# Altium PCB bms_afe_tester-1_0.PcbDoc (part 4 of 4)
Units mm, origin at the board's own origin, x right, y up, seen from the top; angles counter-clockwise.
Board outline 400 x 85 mm, 4 copper layers (L1, L2, L3, L4), stack 1.586 mm thick; 576 components, 326 nets, 1526 pads, 396 vias.
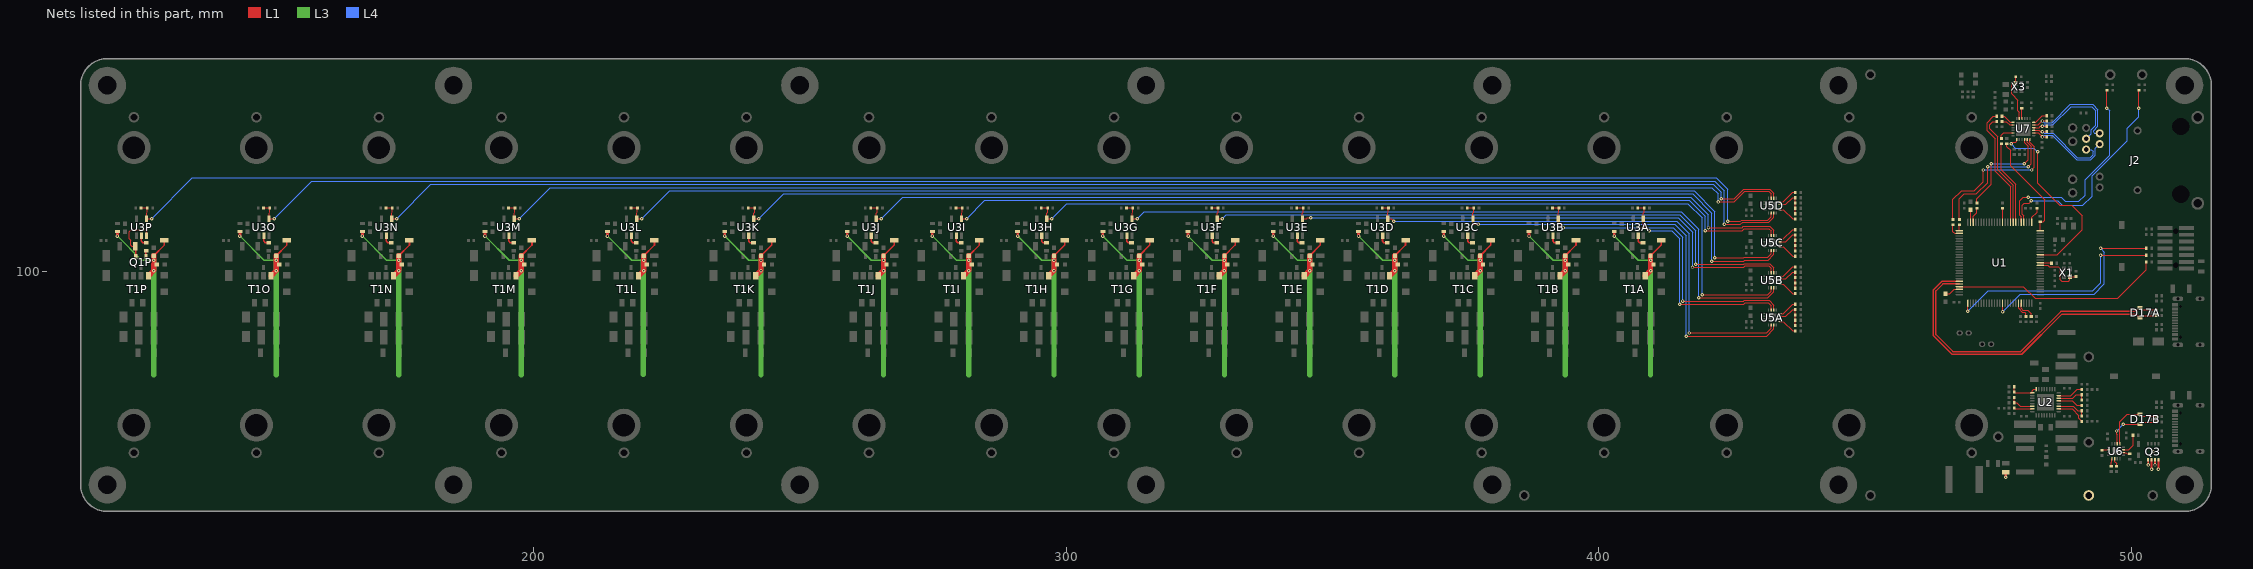
[diagram p6: the nets of this part, all layers, seen from the top]

## Via types
v1: diameter 0.65, hole 0.3, L1 to L4, 396 vias

## Nets (pads, with @x,y where several pads share a name; then routed paths per layer and width w, separated by ;. In a path a pad name is that pad's centre, name@x,y a point inside that pad or via, vN(x,y) a via of type N, cw(c..) or ccw(c..) an arc to the next point about the centre after c; other vN are vias at no path point) (continued)
NetQ1P_1: Q1P.1 R8P.1 | length 1.1
  L1 w0.3: Q1P.1@127.25,102.825 127.25,103.9 R8P.1@127.3,103.95
NetQ1P_2: Q1P.2 R66P.2 U3P.3 | length 10
  L1 w0.2: R66P.2@125.25,104.8 124.6,104.8 124.4,105 124.4,105.9 124.1,106.2 124.1,107.5 124.5,107.9 127.1,107.9 127.375,107.625 U3P.3@127.375,106.756
  L1 w0.3: R66P.2@125.25,104.8 125.35,104.7 Q1P.2@125.35,102.825
NetR3_2: R3.2 U1.26 | length 3
  L1 w0.2: U1.26@481.3,109.3 481.3,110.2 482.3,111.2 R3.2@482.3,111.9
NetR4_2: R4.2 U1.29 | length 41.3
  L1 w0.2: U1.29@479.8,109.3 479.8,110.5 479.5,110.8 479.5,112.5 479.9,112.9 480.8,112.9 v1(481.2,113.3) ; v1(501.4,130.7) R4.2@501.4,134.1
  L4 w0.2: v1(481.2,113.3) 486.2,113.3 487,112.5 490.9,112.5 492.6,114.2 492.6,118 499.2,124.6 499.2,126.9 501.4,129.1 v1(501.4,130.7)
NetR5_2: R5.2 U1.30 | length 39.4
  L1 w0.2: U1.30@479.3,109.3 479.3,110.3 479,110.6 479,113.3 479.7,114 v1(480.6,114) ; v1(495.4,130.7) R5.2@495.4,134.1
  L4 w0.2: v1(480.6,114) 486.8,114 487.6,113.2 490.1,113.2 491.3,114.4 491.3,117.3 495.9,121.9 495.9,130.2 v1(495.4,130.7)
NetR8A_2: R8A.2 U3A.2 | length 2.1
  L1 w0.3: U3A.2@407.425,106.756 407.4,106.731 407.4,105.7 407.65,105.45 R8A.2@408.3,105.45
NetR8B_2: R8B.2 U3B.2 | length 2.1
  L1 w0.3: U3B.2@391.425,106.756 391.4,106.731 391.4,105.7 391.65,105.45 R8B.2@392.3,105.45
NetR8C_2: R8C.2 U3C.2 | length 2.1
  L1 w0.3: U3C.2@375.425,106.756 375.4,106.731 375.4,105.7 375.65,105.45 R8C.2@376.3,105.45
NetR8D_2: R8D.2 U3D.2 | length 2.1
  L1 w0.3: U3D.2@359.425,106.756 359.4,106.731 359.4,105.7 359.65,105.45 R8D.2@360.3,105.45
NetR8E_2: R8E.2 U3E.2 | length 2.1
  L1 w0.3: U3E.2@343.425,106.756 343.4,106.731 343.4,105.7 343.65,105.45 R8E.2@344.3,105.45
NetR8F_2: R8F.2 U3F.2 | length 2.1
  L1 w0.3: U3F.2@327.425,106.756 327.4,106.731 327.4,105.7 327.65,105.45 R8F.2@328.3,105.45
NetR8G_2: R8G.2 U3G.2 | length 2.1
  L1 w0.3: U3G.2@311.425,106.756 311.4,106.731 311.4,105.7 311.65,105.45 R8G.2@312.3,105.45
NetR8H_2: R8H.2 U3H.2 | length 2.1
  L1 w0.3: U3H.2@295.425,106.756 295.4,106.731 295.4,105.7 295.65,105.45 R8H.2@296.3,105.45
NetR8I_2: R8I.2 U3I.2 | length 2.1
  L1 w0.3: U3I.2@279.425,106.756 279.4,106.731 279.4,105.7 279.65,105.45 R8I.2@280.3,105.45
NetR8J_2: R8J.2 U3J.2 | length 2.1
  L1 w0.3: U3J.2@263.425,106.756 263.4,106.731 263.4,105.7 263.65,105.45 R8J.2@264.3,105.45
NetR8K_2: R8K.2 U3K.2 | length 2.1
  L1 w0.3: U3K.2@240.425,106.756 240.4,106.731 240.4,105.7 240.65,105.45 R8K.2@241.3,105.45
NetR8L_2: R8L.2 U3L.2 | length 2.1
  L1 w0.3: U3L.2@218.425,106.756 218.4,106.731 218.4,105.7 218.65,105.45 R8L.2@219.3,105.45
NetR8M_2: R8M.2 U3M.2 | length 2.1
  L1 w0.3: U3M.2@195.425,106.756 195.4,106.731 195.4,105.7 195.65,105.45 R8M.2@196.3,105.45
NetR8N_2: R8N.2 U3N.2 | length 2.1
  L1 w0.3: U3N.2@172.425,106.756 172.4,106.731 172.4,105.7 172.65,105.45 R8N.2@173.3,105.45
NetR8O_2: R8O.2 U3O.2 | length 2.1
  L1 w0.3: U3O.2@149.425,106.756 149.4,106.731 149.4,105.7 149.65,105.45 R8O.2@150.3,105.45
NetR8P_2: R8P.2 U3P.2 | length 2.1
  L1 w0.3: U3P.2@126.425,106.756 126.4,106.731 126.4,105.7 126.65,105.45 R8P.2@127.3,105.45
NetR9_2: R9.2 U6.14 | length 1.3
  L1 w0.2: U6.14@498.5,66.05 498.95,66.05 499.2,65.8 R9.2@499.7,65.8
NetR24_2: R24.2 U1.37 | length 2.6
  L1 w0.2: U1.37@475.8,109.3 R24.2@475.8,111.9
NetR35_2: R35.2 U1.96 | length 3.8
  L1 w0.203: U1.96@479.3,94.1 479.3,93.103 479.601,92.801 480.499,92.801 481.2,92.1 R35.2@481.2,91.6
NetR36_2: R36.2 U1.95 | length 3.4
  L1 w0.203: U1.95@478.8,94.1 478.8,93.1 479.5,92.4 480,92.4 480.2,92.2 R36.2@480.2,91.6
NetR38_2: R38.2 U1.48 | length 2.9
  L1 w0.2: U1.48@470.3,109.3 470.3,110.4 471,111.1 R38.2@471,111.9
NetR40_2: R40.2 U1.51 | length 1.1
  L1 w0.2: U1.51@467.7,107.7 R40.2@467.7,108.8
NetR41_2: R41.2 U1.52 | length 2.6
  L1 w0.2: R41.2@466.5,108.8 466.5,107.5 466.8,107.2 U1.52@467.7,107.2
NetR48_1: R48.1 R56.2 U2.22 | length 5.6
  L1 w0.2: U2.22@486.35,76.25 488.95,76.25 489.6,76.9 R56.2@490.7,76.9 R48.1@490.7,75.9
NetR50_2: R50.2 U2.21 | length 4.7
  L1 w0.203: U2.21@486.35,75.75 488.85,75.75 489.7,74.9 R50.2@490.7,74.9
NetR51_2: R51.2 U2.23 | length 4.8
  L1 w0.203: U2.23@486.35,76.75 488.65,76.75 489.8,77.9 R51.2@490.7,77.9
NetR57_1: R57.1 R58.2 U2.1 U2.32 | length 5.8
  L1 w0.2: R57.1@478,78.4 R58.2@478,77.4 478.15,77.25 U2.1@481.4,77.25 481.4,77.7 481.675,77.975 U2.32@482.125,77.975
NetR59_1: R59.1 R62.2 U2.6 | length 4.7
  L1 w0.2: R59.1@478,76.4 R62.2@478,75.4 478.5,75.4 479.15,74.75 U2.6@481.4,74.75
NetR61_2: R61.2 U2.7 | length 3.5
  L1 w0.2: R61.2@478,74.4 478.15,74.25 U2.7@481.4,74.25
NetR63_1: R63.1 R65.2 U2.19 | length 5.7
  L1 w0.2: U2.19@486.35,74.75 489.05,74.75 489.9,73.9 R63.1@490.7,73.9 R65.2@490.7,72.9
NetR64_2: R64.2 U2.18 | length 5.6
  L1 w0.2: U2.18@486.35,74.25 488.85,74.25 490.1,73 490.1,72.5 R64.2@490.7,71.9
NetR67A_2: R67A.2 R68A.1 U3A.4 U5A.11 | length 43
  L1 w0.2: R68A.1@407.325,111.966 R67A.2@408.525,111.966 408.525,111.166 408.375,111.016 U3A.4@408.375,109.976 408.375,108.825 v1(409.5,107.7) ; v1(415.2,93.9) 427.2,93.9 427.5,94.2 431.8,94.2 432.35,93.65 U5A.11@432.35,92.8
  L4 w0.2: v1(409.5,107.7) 413.7,107.7 415.2,106.2 v1(415.2,93.9)
NetR67B_2: R67B.2 R68B.1 U3B.4 U5A.10 | length 59
  L1 w0.2: R68B.1@391.325,111.966 R67B.2@392.525,111.966 392.525,111.166 392.375,111.016 U3B.4@392.375,109.976 392.375,109.225 v1(393.3,108.3) ; v1(415.8,94.5) 427.2,94.5 427.3,94.6 432,94.6 432.85,93.75 U5A.10@432.85,92.8
  L4 w0.2: v1(393.3,108.3) 414,108.3 415.8,106.5 v1(415.8,94.5)
NetR67C_2: R67C.2 R68C.1 U3C.4 U5A.3 | length 81.8
  L1 w0.2: R68C.1@375.325,111.966 R67C.2@376.525,111.966 376.525,111.166 376.375,111.016 U3C.4@376.375,109.976 376.375,109.025 376.5,108.9 v1(377.4,108.9) ; v1(416.4,87.9) 431.5,87.9 432.85,89.25 U5A.3@432.85,90
  L4 w0.2: v1(377.4,108.9) 414.3,108.9 416.4,106.8 v1(416.4,87.9)
NetR67D_2: R67D.2 R68D.1 U3D.4 U5A.2 | length 96
  L1 w0.2: R68D.1@359.325,111.966 R67D.2@360.525,111.966 360.525,111.166 360.375,111.016 U3D.4@360.375,109.976 361.024,109.976 v1(361.5,109.5) ; v1(417,88.5) 431.5,88.5 432.35,89.35 U5A.2@432.35,90
  L4 w0.2: v1(361.5,109.5) 414.6,109.5 417,107.1 v1(417,88.5)
NetR67E_2: R67E.2 R68E.1 U3E.4 U5B.11 | length 100.2
  L1 w0.2: R68E.1@343.325,111.966 R67E.2@344.525,111.966 344.525,111.166 344.375,111.016 U3E.4@344.375,109.976 345.176,109.976 345.3,110.1 v1(345.9,110.1) ; v1(417.6,100.8) 427.2,100.8 427.5,101.1 431.9,101.1 432.35,100.65 U5B.11@432.35,99.8
  L4 w0.2: v1(345.9,110.1) 414.9,110.1 417.6,107.4 v1(417.6,100.8)
NetR67F_2: R67F.2 R68F.1 U3F.4 U5B.10 | length 116.9
  L1 w0.2: R68F.1@327.325,111.966 R67F.2@328.525,111.966 328.525,111.166 328.375,111.016 U3F.4@328.375,109.976 329.33,109.976 v1(329.334,109.972) ; v1(418.2,101.4) 427.2,101.4 427.3,101.5 432.1,101.5 432.85,100.75 U5B.10@432.85,99.8
  L4 w0.2: v1(329.334,109.972) 330.061,110.7 415.2,110.7 418.2,107.7 v1(418.2,101.4)
NetR67G_2: R67G.2 R68G.1 U3G.4 U5B.3 | length 139.8
  L1 w0.2: R68G.1@311.325,111.966 R67G.2@312.525,111.966 312.525,111.166 312.375,111.016 U3G.4@312.375,109.976 313.33,109.976 v1(313.334,109.972) ; v1(418.8,95.1) 431.7,95.1 432.85,96.25 U5B.3@432.85,97
  L4 w0.2: v1(313.334,109.972) 314.661,111.3 415.5,111.3 418.8,108 v1(418.8,95.1)
NetR67H_2: R67H.2 R68H.1 U3H.4 U5B.2 | length 156.8
  L1 w0.2: R68H.1@295.325,111.966 R67H.2@296.525,111.966 296.525,111.166 296.375,111.016 U3H.4@296.375,109.976 297.33,109.976 v1(297.334,109.972) ; v1(419.4,95.7) 431.7,95.7 432.35,96.35 U5B.2@432.35,97
  L4 w0.2: v1(297.334,109.972) 300.161,112.8 416.7,112.8 419.4,110.1 v1(419.4,95.7)
NetR67I_2: R67I.2 R68I.1 U3I.4 U5C.11 | length 161.8
  L1 w0.2: R68I.1@279.325,111.966 R67I.2@280.525,111.966 280.525,111.166 280.375,111.016 U3I.4@280.375,109.976 281.33,109.976 v1(281.334,109.972) ; v1(420,107.7) 426.9,107.7 427.3,108.1 431.9,108.1 432.35,107.65 U5C.11@432.35,106.8
  L4 w0.2: v1(281.334,109.972) 284.761,113.4 417,113.4 420,110.4 v1(420,107.7)
NetR67J_2: R67J.2 R68J.1 U3J.4 U5C.10 | length 178.5
  L1 w0.2: R68J.1@263.325,111.966 R67J.2@264.525,111.966 264.525,111.166 264.375,111.016 U3J.4@264.375,109.976 265.33,109.976 v1(265.334,109.972) ; v1(420.6,108.3) 426.9,108.3 427.1,108.5 432.1,108.5 432.85,107.75 U5C.10@432.85,106.8
  L4 w0.2: v1(265.334,109.972) 269.361,114 417.3,114 420.6,110.7 v1(420.6,108.3)
NetR67K_2: R67K.2 R68K.1 U3K.4 U5C.3 | length 208.4
  L1 w0.2: R68K.1@240.325,111.966 R67K.2@241.525,111.966 241.525,111.166 241.375,111.016 U3K.4@241.375,109.976 242.33,109.976 v1(242.334,109.972) ; v1(421.2,102) 427.2,102 427.4,102.2 431.8,102.2 432.85,103.25 U5C.3@432.85,104
  L4 w0.2: v1(242.334,109.972) 246.961,114.6 417.6,114.6 421.2,111 v1(421.2,102)
NetR67L_2: R67L.2 R68L.1 U3L.4 U5C.2 | length 229.7
  L1 w0.2: R68L.1@218.325,111.966 R67L.2@219.525,111.966 219.525,111.166 219.375,111.016 U3L.4@219.375,109.976 220.33,109.976 v1(220.334,109.972) ; v1(421.8,102.6) 427.2,102.6 427.3,102.7 431.7,102.7 432.35,103.35 U5C.2@432.35,104
  L4 w0.2: v1(220.334,109.972) 225.561,115.2 417.9,115.2 421.8,111.3 v1(421.8,102.6)
NetR67M_2: R67M.2 R68M.1 U3M.4 U5D.11 | length 245.5
  L1 w0.2: R68M.1@195.325,111.966 R67M.2@196.525,111.966 196.525,111.166 196.375,111.016 U3M.4@196.375,109.976 197.33,109.976 v1(197.334,109.972) ; v1(422.4,113.1) 425.4,113.1 427.4,115.1 431.9,115.1 432.35,114.65 U5D.11@432.35,113.8
  L4 w0.2: v1(197.334,109.972) 203.161,115.8 421.2,115.8 422.4,114.6 v1(422.4,113.1)
NetR67N_2: R67N.2 R68N.1 U3N.4 U5D.10 | length 269.2
  L1 w0.2: R68N.1@172.325,111.966 R67N.2@173.525,111.966 173.525,111.166 173.375,111.016 U3N.4@173.375,109.976 174.33,109.976 v1(174.334,109.972) ; v1(423,113.7) 425.4,113.7 427.2,115.5 432.1,115.5 432.85,114.75 U5D.10@432.85,113.8
  L4 w0.2: v1(174.334,109.972) 180.761,116.4 421.5,116.4 423,114.9 v1(423,113.7)
NetR67O_2: R67O.2 R68O.1 U3O.4 U5D.3 | length 297
  L1 w0.2: R68O.1@149.325,111.966 R67O.2@150.525,111.966 150.525,111.166 150.375,111.016 U3O.4@150.375,109.976 151.33,109.976 v1(151.334,109.972) ; v1(423.6,108.9) 426.6,108.9 427,109.3 431.9,109.3 432.85,110.25 U5D.3@432.85,111
  L4 w0.2: v1(151.334,109.972) 158.361,117 421.8,117 423.6,115.2 v1(423.6,108.9)
NetR67P_2: R67P.2 R68P.1 U3P.4 U5D.2 | length 319.3
  L1 w0.2: R68P.1@126.325,111.966 R67P.2@127.525,111.966 127.525,111.166 127.375,111.016 U3P.4@127.375,109.976 128.33,109.976 v1(128.334,109.972) ; v1(424.2,109.5) 426.6,109.5 426.8,109.7 431.7,109.7 432.35,110.35 U5D.2@432.35,111
  L4 w0.2: v1(128.334,109.972) 135.961,117.6 422.1,117.6 424.2,115.5 v1(424.2,109.5)
NetR69A_1: R69A.1 U5A.8 | length 3.6
  L1 w0.2: U5A.8@434,92.15 434.65,92.15 436.4,93.9 R69A.1@436.9,93.9
NetR69B_1: R69B.1 U5B.8 | length 3.6
  L1 w0.2: U5B.8@434,99.15 434.65,99.15 436.4,100.9 R69B.1@436.9,100.9
NetR69C_1: R69C.1 U5C.8 | length 3.6
  L1 w0.2: U5C.8@434,106.15 434.65,106.15 436.4,107.9 R69C.1@436.9,107.9
NetR69D_1: R69D.1 U5D.8 | length 3.6
  L1 w0.2: U5D.8@434,113.15 434.65,113.15 436.4,114.9 R69D.1@436.9,114.9
NetR70A_1: R70A.1 R71A.2 R72A.2 R73A.2 U5A.7 | length 6.4
  L1 w0.2: U5A.7@434,91.65 435.15,91.65 436.4,92.9 R70A.1@436.9,92.9 R71A.2@436.9,91.9 R72A.2@436.9,90.9 R73A.2@436.9,89.9
NetR70B_1: R70B.1 R71B.2 R72B.2 R73B.2 U5B.7 | length 6.4
  L1 w0.2: U5B.7@434,98.65 435.15,98.65 436.4,99.9 R70B.1@436.9,99.9 R71B.2@436.9,98.9 R72B.2@436.9,97.9 R73B.2@436.9,96.9
NetR70C_1: R70C.1 R71C.2 R72C.2 R73C.2 U5C.7 | length 6.4
  L1 w0.2: U5C.7@434,105.65 435.15,105.65 436.4,106.9 R70C.1@436.9,106.9 R71C.2@436.9,105.9 R72C.2@436.9,104.9 R73C.2@436.9,103.9
NetR70D_1: R70D.1 R71D.2 R72D.2 R73D.2 U5D.7 | length 6.4
  L1 w0.2: U5D.7@434,112.65 435.15,112.65 436.4,113.9 R70D.1@436.9,113.9 R71D.2@436.9,112.9 R72D.2@436.9,111.9 R73D.2@436.9,110.9
NetR74A_1: R74A.1 U5A.5 | length 3.6
  L1 w0.2: U5A.5@434,90.65 434.65,90.65 436.4,88.9 R74A.1@436.9,88.9
NetR74B_1: R74B.1 U5B.5 | length 3.6
  L1 w0.2: U5B.5@434,97.65 434.65,97.65 436.4,95.9 R74B.1@436.9,95.9
NetR74C_1: R74C.1 U5C.5 | length 3.6
  L1 w0.2: U5C.5@434,104.65 434.65,104.65 436.4,102.9 R74C.1@436.9,102.9
NetR74D_1: R74D.1 U5D.5 | length 3.6
  L1 w0.2: U5D.5@434,111.65 434.65,111.65 436.4,109.9 R74D.1@436.9,109.9
NetR77_1: R77.1 U6.15 | length 4.1
  L1 w0.2: U6.15@498.5,66.55 499.45,66.55 500.3,67.4 R77.1@500.3,69.3
NetR78_2: R78.2 U6.6 | length 1.2
  L1 w0.2: R78.2@494.5,66.5 494.55,66.55 U6.6@495.7,66.55
NetR79_2: R79.2 U6.9 | length 1.5
  L1 w0.2: R79.2@496.2,63.5 496.2,64.2 496.35,64.35 U6.9@496.35,64.9
NetR80_2: R80.2 U6.10 | length 1.5
  L1 w0.2: U6.10@496.85,64.9 496.85,64.35 497.2,64 R80.2@497.2,63.5
NetR86_1: R86.1 U7.24 | length 3
  L1 w0.2: U7.24@481.65,128.05 482.05,128.05 483.3,129.3 R86.1@484.1,129.3
NetR91_1: R91.1 U7.11 | length 2.9
  L1 w0.2: R91.1@475.6,125 475.6,125.6 476.05,126.05 U7.11@477.75,126.05
NetR92_1: R92.1 U7.8 | length 2.3
  L1 w0.2: R92.1@475.7,128.2 476.5,128.2 477.15,127.55 U7.8@477.75,127.55
NetR93_1: R93.1 U7.7 | length 2.5
  L1 w0.2: R93.1@475.7,129.2 476.1,129.2 477.25,128.05 U7.7@477.75,128.05
OSC_IN_2: C16.1 U1.12 X1.3 | length 9.9
  L1 w0.203: U1.12@482.9,101.2 484.3,101.2 484.6,100.9 486.3,100.9 486.6,100.6 486.6,98.5 486.9,98.2 488.2,98.2 488.45,98.45 X1.3@488.45,99.1 C16.1@489.6,99.1
OSC_OUT_2: R42.1 U1.13 | length 2.1
  L1 w0.2: U1.13@482.9,101.7 484.9,101.7 R42.1@485,101.6
RMII.CRS_DV_1: R91.2 U1.32 | length 15.8
  L1 w0.203: R91.2@475.6,124 475.6,119.1 478.3,116.4 U1.32@478.3,109.3
RMII.RXD0_1: R92.2 U1.33 | length 21.7
  L1 w0.203: R92.2@474.7,128.2 474,128.2 473.4,127.6 473.4,126.8 474.9,125.3 474.9,119.1 477.8,116.2 U1.33@477.8,109.3
RMII.RXD1_1: R93.2 U1.34 | length 22.8
  L1 w0.203: R93.2@474.7,129.2 474.1,129.2 472.9,128 472.9,126.5 474.4,125 474.4,118.9 477.3,116 U1.34@477.3,109.3
RMII.TX_EN_1: R38.1 U7.16 | length 19.8
  L1 w0.203: R38.1@471,112.9 471,113.7 473.7,116.4 v1(473.7,120.3) ; v1(479.9,120.3) 480.6,121 480.6,123.6 479.95,124.25 U7.16@479.95,124.85
  L4 w0.203: v1(473.7,120.3) v1(479.9,120.3)
RMII.TXD0_1: R40.1 U7.17 | length 26.8
  L1 w0.203: R40.1@467.7,109.8 467.7,113.7 468.6,114.6 470.9,114.6 473,116.7 v1(473,119.7) ; U7.17@480.45,124.85 480.45,124.3 481.2,123.55 481.2,120.3 v1(480.621,119.721)
  L4 w0.203: v1(473,119.7) 473.021,119.721 v1(480.621,119.721)
RMII.TXD1_1: R41.1 U7.18 | length 28.5
  L1 w0.2: R41.1@466.5,109.8 466.5,113.6 468.1,115.2 470.5,115.2 472.2,116.9 v1(472.2,119.1) ; U7.18@480.95,124.85 480.95,124.35 481.8,123.5 481.8,119.6 v1(481.3,119.1)
  L4 w0.2: v1(472.2,119.1) v1(481.3,119.1)
RX_N: J2.8 R90.2 U7.22 | length 20.4
  L1 w0.218: U7.22@481.65,127.05 482.65,127.05 482.9,127.3 v1(483.3,127.3) R90.2@484.1,127.3
  L4 w0.218: v1(483.3,127.3) 483.591,127.591 485.273,127.591 488.664,130.982 492.518,130.982 493.3,130.2 493.3,127.5 492.478,126.678 492.478,125.946 J2.8@491.5,124.968
RX_P: J2.1 R88.2 U7.23 | length 20.9
  L1 w0.218: U7.23@481.65,127.55 482.55,127.55 v1(483.3,128.3) R88.2@484.1,128.3
  L4 w0.218: v1(483.3,128.3) 483.591,128.009 485.1,128.009 488.491,131.4 492.691,131.4 493.718,130.373 493.718,127.327 492.896,126.504 492.896,126.154 493.066,125.984 J2.1@494.04,125.984
SMI.MDC_1: U1.16 U7.13 | length 36.5
  L1 w0.203: v1(477.4,124) 477.7,124.3 478.3,124.3 478.45,124.45 U7.13@478.45,124.85 ; v1(482.4,122.5) 482.4,116.6 486.5,112.5 488.8,112.5 490.8,110.5 490.8,107.9 486.1,103.2 U1.16@482.9,103.2
  L4 w0.203: v1(477.4,124) 478.2,123.2 481.7,123.2 v1(482.4,122.5)
SMI.MDIO_1: R52.1 R81.2 U1.25 | length 19.9
  L1 w0.2: U1.25@482.9,107.7 R52.1@482.9,109.4
  L1 w0.203: R81.2@476.6,124 476.6,123.5 477.3,122.8 477.3,119.9 483.7,113.5 483.7,109.7 483.4,109.4 R52.1@482.9,109.4
SWD.SWCLK_2: R26.1 U1.76 | length 42.4
  L1 w0.203: v1(469.3,92.6) U1.76@469.3,94.1 ; v1(494.2,103.1) R26.1@502.8,103.1
  L4 w0.203: v1(469.3,92.6) 473.1,96.4 492.7,96.4 494.2,97.9 v1(494.2,103.1)
SWD.SWDIO_2: R22.1 U1.72 | length 39.6
  L1 w0.203: U1.72@467.7,97.2 479.7,97.2 481.9,95 497.4,95 502.8,100.4 R22.1@502.8,101.8
SWD.SWO_2: R6.1 U1.89 | length 38.4
  L1 w0.203: v1(475.8,92.5) U1.89@475.8,94.1 ; v1(494.2,104.4) R6.1@502.8,104.4
  L4 w0.203: v1(475.8,92.5) 479.1,95.8 493,95.8 494.9,97.7 494.9,103.7 v1(494.2,104.4)
TX_N: J2.2 R89.2 U7.20 | length 17.5
  L1 w0.218: U7.20@481.65,126.05 482.55,126.05 v1(483.3,125.3) R89.2@484.1,125.3
  L4 w0.218: v1(483.3,125.3) 483.591,125.591 485.109,125.591 489.7,121 492.4,121 493.232,121.832 493.232,123.144 J2.2@494.04,123.952
TX_P: J2.9 R87.2 U7.21 | length 16.4
  L1 w0.218: U7.21@481.65,126.55 482.65,126.55 482.9,126.3 v1(483.3,126.3) R87.2@484.1,126.3
  L4 w0.218: v1(483.3,126.3) 483.591,126.009 485.282,126.009 489.873,121.418 492.227,121.418 492.814,122.006 492.814,122.586 492.464,122.936 J2.9@491.5,122.936
USB._1_N: D17A.2 R129A.1 U1.70 | length 61.1
  L1 w0.203: D17A.2@501.575,91.35 501.925,91.7 504.6,91.7 R129A.1@504.7,91.8
  L1 w0.284: U1.70@467.7,98.2 464.416,98.2 462.816,96.6 462.816,88 466.3,84.516 479.416,84.516 486.958,92.058 500.867,92.058 D17A.2@501.575,91.35
USB._1_P: D17A.1 R128A.1 U1.71 | length 59.5
  L1 w0.2: D17A.1@501.575,93.25 501.925,92.9 504.6,92.9 R128A.1@504.7,92.8
  L1 w0.284: U1.71@467.7,97.7 464.6,97.7 463.3,96.4 463.3,88.2 466.5,85 479.216,85 486.758,92.542 500.867,92.542 D17A.1@501.575,93.25
USB_PWR._1_N: D17B.2 R129B.1 U6.2 | length 10.6
  L1 w0.2: v1(497.273,70.1) 497.273,69.477 497.35,69.4 U6.2@497.35,67.7
  L1 w0.203: v1(498.5,71.4) 501.525,71.4 D17B.2@501.575,71.35 501.925,71.7 504.6,71.7 R129B.1@504.7,71.8
  L4 w0.2: v1(497.273,70.1) 498.5,71.327 v1(498.5,71.4)
USB_PWR._1_P: D17B.1 R128B.1 U6.1 | length 11.8
  L1 w0.2: U6.1@497.85,67.7 497.85,71.85 499.25,73.25 D17B.1@501.575,73.25 501.925,72.9 504.6,72.9 R128B.1@504.7,72.8
VBUS: C38A.1 C38B.1 C38C.1 C38D.1 C38E.1 C38F.1 C38G.1 C38H.1 C38I.1 C38J.1 C38K.1 C38L.1 C38M.1 C38N.1 C38O.1 C38P.1 C41A.1 C41B.1 C41C.1 C41D.1 C41E.1 C41F.1 C41G.1 C41H.1 C41I.1 C41J.1 C41K.1 C41L.1 C41M.1 C41N.1 C41O.1 C41P.1 FB2.1 Q3.5 Q3.6 Q3.7 Q3.8 R10A.2 R10B.2 R10C.2 R10D.2 R10E.2 R10F.2 R10G.2 R10H.2 R10I.2 R10J.2 R10K.2 R10L.2 R10M.2 R10N.2 R10O.2 R10P.2 R14A.1 R14B.1 R14C.1 R14D.1 R14E.1 R14F.1 R14G.1 R14H.1 R14I.1 R14J.1 R14K.1 R14L.1 R14M.1 R14N.1 R14O.1 R14P.1 T1A.1 T1B.1 T1C.1 T1D.1 T1E.1 T1F.1 T1G.1 T1H.1 T1I.1 T1J.1 T1K.1 T1L.1 T1M.1 T1N.1 T1O.1 T1P.1 TP3.1 | length 646.7
  L1 w0.3: C41P.1@128.725,103.016 130.725,105.016 R10P.2@130.725,105.916 ; C41O.1@151.725,103.016 153.725,105.016 R10O.2@153.725,105.916 ; C41N.1@174.725,103.016 176.725,105.016 R10N.2@176.725,105.916 ; C41M.1@197.725,103.016 199.725,105.016 R10M.2@199.725,105.916 ; C41L.1@220.725,103.016 222.725,105.016 R10L.2@222.725,105.916 ; C41K.1@242.725,103.016 244.725,105.016 R10K.2@244.725,105.916 ; C41J.1@265.725,103.016 267.725,105.016 R10J.2@267.725,105.916 ; C41I.1@281.725,103.016 283.725,105.016 R10I.2@283.725,105.916 ; C41H.1@297.725,103.016 299.725,105.016 R10H.2@299.725,105.916 ; C41G.1@313.725,103.016 315.725,105.016 R10G.2@315.725,105.916 ; C41F.1@329.725,103.016 331.725,105.016 R10F.2@331.725,105.916 ; C41E.1@345.725,103.016 347.725,105.016 R10E.2@347.725,105.916 ; C41D.1@361.725,103.016 363.725,105.016 R10D.2@363.725,105.916 ; C41C.1@377.725,103.016 379.725,105.016 R10C.2@379.725,105.916 ; C41B.1@393.725,103.016 395.725,105.016 R10B.2@395.725,105.916 ; C41A.1@409.725,103.016 411.725,105.016 R10A.2@411.725,105.916 ; v1(503.125,63.725) Q3.5@503.125,64.7 ; v1(503.775,62.925) Q3.6@503.775,64.7 ; v1(504.425,63.725) Q3.7@504.425,64.7 ; v1(505.075,62.925) Q3.8@505.075,64.7
  L1 w0.5: v1(121.9,106.7) R14P.1@121.9,107.55 ; v1(128.725,102.166) 128.725,101.916 C38P.1@129.275,101.366 ; v1(144.9,106.7) R14O.1@144.9,107.55 ; v1(151.725,102.166) 151.725,101.916 C38O.1@152.275,101.366 ; v1(167.9,106.7) R14N.1@167.9,107.55 ; v1(174.725,102.166) 174.725,101.916 C38N.1@175.275,101.366 ; v1(190.9,106.7) R14M.1@190.9,107.55 ; v1(197.725,102.166) 197.725,101.916 C38M.1@198.275,101.366 ; v1(213.9,106.7) R14L.1@213.9,107.55 ; v1(220.725,102.166) 220.725,101.916 C38L.1@221.275,101.366 ; v1(235.9,106.7) R14K.1@235.9,107.55 ; v1(242.725,102.166) 242.725,101.916 C38K.1@243.275,101.366 ; v1(258.9,106.7) R14J.1@258.9,107.55 ; v1(265.725,102.166) 265.725,101.916 C38J.1@266.275,101.366 ; v1(274.9,106.7) R14I.1@274.9,107.55 ; v1(281.725,102.166) 281.725,101.916 C38I.1@282.275,101.366 ; v1(290.9,106.7) R14H.1@290.9,107.55 ; v1(297.725,102.166) 297.725,101.916 C38H.1@298.275,101.366 ; v1(306.9,106.7) R14G.1@306.9,107.55 ; v1(313.725,102.166) 313.725,101.916 C38G.1@314.275,101.366 ; v1(322.9,106.7) R14F.1@322.9,107.55 ; v1(329.725,102.166) 329.725,101.916 C38F.1@330.275,101.366 ; v1(338.9,106.7) R14E.1@338.9,107.55 ; v1(345.725,102.166) 345.725,101.916 C38E.1@346.275,101.366 ; v1(354.9,106.7) R14D.1@354.9,107.55 ; v1(361.725,102.166) 361.725,101.916 C38D.1@362.275,101.366 ; v1(370.9,106.7) R14C.1@370.9,107.55 ; v1(377.725,102.166) 377.725,101.916 C38C.1@378.275,101.366 ; v1(386.9,106.7) R14B.1@386.9,107.55 ; v1(393.725,102.166) 393.725,101.916 C38B.1@394.275,101.366 ; v1(402.9,106.7) R14A.1@402.9,107.55 ; v1(409.725,102.166) 409.725,101.916 C38A.1@410.275,101.366 ; v1(476.4,61.4) FB2.1@476.4,62.35
  L1 w1: T1P.1@127.725,99.216 v1(128.725,100.216) v1(128.725,102.166) C41P.1@128.725,103.016 ; T1O.1@150.725,99.216 v1(151.725,100.216) v1(151.725,102.166) C41O.1@151.725,103.016 ; T1N.1@173.725,99.216 v1(174.725,100.216) v1(174.725,102.166) C41N.1@174.725,103.016 ; T1M.1@196.725,99.216 v1(197.725,100.216) v1(197.725,102.166) C41M.1@197.725,103.016 ; T1L.1@219.725,99.216 v1(220.725,100.216) v1(220.725,102.166) C41L.1@220.725,103.016 ; T1K.1@241.725,99.216 v1(242.725,100.216) v1(242.725,102.166) C41K.1@242.725,103.016 ; T1J.1@264.725,99.216 v1(265.725,100.216) v1(265.725,102.166) C41J.1@265.725,103.016 ; T1I.1@280.725,99.216 v1(281.725,100.216) v1(281.725,102.166) C41I.1@281.725,103.016 ; T1H.1@296.725,99.216 v1(297.725,100.216) v1(297.725,102.166) C41H.1@297.725,103.016 ; T1G.1@312.725,99.216 v1(313.725,100.216) v1(313.725,102.166) C41G.1@313.725,103.016 ; T1F.1@328.725,99.216 v1(329.725,100.216) v1(329.725,102.166) C41F.1@329.725,103.016 ; T1E.1@344.725,99.216 v1(345.725,100.216) v1(345.725,102.166) C41E.1@345.725,103.016 ; T1D.1@360.725,99.216 v1(361.725,100.216) v1(361.725,102.166) C41D.1@361.725,103.016 ; T1C.1@376.725,99.216 v1(377.725,100.216) v1(377.725,102.166) C41C.1@377.725,103.016 ; T1B.1@392.725,99.216 v1(393.725,100.216) v1(393.725,102.166) C41B.1@393.725,103.016 ; T1A.1@408.725,99.216 v1(409.725,100.216) v1(409.725,102.166) C41A.1@409.725,103.016
  L3 w0.3: v1(121.9,106.7) 126.434,102.166 v1(128.725,102.166) ; v1(144.9,106.7) 149.434,102.166 v1(151.725,102.166) ; v1(167.9,106.7) 172.434,102.166 v1(174.725,102.166) ; v1(190.9,106.7) 195.434,102.166 v1(197.725,102.166) ; v1(213.9,106.7) 218.434,102.166 v1(220.725,102.166) ; v1(235.9,106.7) 240.434,102.166 v1(242.725,102.166) ; v1(258.9,106.7) 263.434,102.166 v1(265.725,102.166) ; v1(274.9,106.7) 279.434,102.166 v1(281.725,102.166) ; v1(290.9,106.7) 295.434,102.166 v1(297.725,102.166) ; v1(306.9,106.7) 311.434,102.166 v1(313.725,102.166) ; v1(322.9,106.7) 327.434,102.166 v1(329.725,102.166) ; v1(338.9,106.7) 343.434,102.166 v1(345.725,102.166) ; v1(354.9,106.7) 359.434,102.166 v1(361.725,102.166) ; v1(370.9,106.7) 375.434,102.166 v1(377.725,102.166) ; v1(386.9,106.7) 391.434,102.166 v1(393.725,102.166) ; v1(402.9,106.7) 407.434,102.166 v1(409.725,102.166)
  L3 w1: 128.725,80.675 v1(128.725,102.166) ; 151.725,80.675 v1(151.725,102.166) ; 174.725,80.675 v1(174.725,102.166) ; 197.725,80.675 v1(197.725,102.166) ; 220.6,80.709 v1@220.6,102.2 ; 242.725,80.675 v1(242.725,102.166) ; 265.725,80.675 v1(265.725,102.166) ; 281.725,80.675 v1(281.725,102.166) ; 297.725,80.675 v1(297.725,102.166) ; 313.725,80.675 v1(313.725,102.166) ; 329.725,80.675 v1(329.725,102.166) ; 345.725,80.675 v1(345.725,102.166) ; 361.725,80.675 v1(361.725,102.166) ; 377.725,80.675 v1(377.725,102.166) ; 393.725,80.675 v1(393.725,102.166) ; 409.725,80.675 v1(409.725,100.216) v1(409.725,102.166)
  other v1: 504.1,66.2
VCAP_1_2: C2.1 U1.49 | length 2.3
  L1 w0.2: U1.49@469.8,109.3 C2.1@469.8,111.65
VCAP_2_2: C1.1 U1.73 | length 3
  L1 w0.203: C1.1@465.1,95.85 465.85,95.85 466.7,96.7 U1.73@467.7,96.7
XTAL1: C53.1 U7.5 X3.1 | length 9.1
  L1 w0.203: C53.1@478.3,136.6 478.25,136.55 X3.1@478.25,135.4 477.7,135.4 477.5,135.2 477.5,133.4 478.7,132.2 478.7,130.2 478.95,129.95 U7.5@478.95,128.75
XTAL2: R85.2 U7.4 | length 2
  L1 w0.2: R85.2@479.4,130.7 479.45,130.65 U7.4@479.45,128.75
pads on no net: J1.0 J1.1 J1.2 J1.9 J1.10 J1.13 J1.14 J2.0 J2.5 J2.6 J2.10 J2.11 J11A.A8 J11A.B8 J11A.GP J11B.A8 J11B.B8 J11B.GP MH1.1 MH2.1 MH3.1 MH4.1 MH5.1 MH6.1 MH7.1 MH8.1 MH9.1 MH10.1 MH11.1 MH12.1 MH13.1 MH14.1 U1.1 U1.2 U1.3 U1.4 U1.5 U1.7 U1.8 U1.9 U1.15 U1.17 U1.18 U1.23 U1.31 U1.35 U1.36 U1.38 U1.39 U1.40 U1.41 U1.42 U1.43 U1.44 U1.45 U1.46 U1.47 U1.53 U1.54 U1.55 U1.56 U1.57 U1.58 U1.59 U1.60 U1.61 U1.62 U1.66 U1.67 U1.68 U1.69 U1.77 U1.78 U1.79 U1.80 U1.81 U1.82 U1.83 U1.84 U1.85 U1.86 U1.87 U1.88 U1.90 U1.91 U1.92 U1.93 U1.97 U1.98 U2.20 U2.31 U5A.1 U5A.4 U5A.9 U5A.12 U5B.1 U5B.4 U5B.9 U5B.12 U5C.1 U5C.4 U5C.9 U5C.12 U5D.1 U5D.4 U5D.9 U5D.12 U6.7 U6.8 U6.11 U6.12 U6.13 U7.10 X1.2 X1.4 X3.2 X3.4

## Polygon pours and split planes (outlines as drawn)
3P3 on L1 "3P3_L01_P002" (solid, remove dead copper, pour order 2): 477.6,69.8 477.6,65.8 482.4,65.8 482.4,69.8
5P0 on L1 "5P0_L01_P004" (solid, remove dead copper, pour order 4): 490.2,81.2 490.2,85.2 485.4,85.2 485.4,81.2
1P2 on L1 "1P2_L01_P003" (solid, remove dead copper, pour order 3): 485.4,69.8 485.4,65.8 490.2,65.8 490.2,69.8
3P3 on L3 "3P3_L03_P008" (solid, remove dead copper, pour order 8): 451,140 474.5,140 474.5,131 479.5,131 479.5,120.5 485.5,120.5 485.5,112.5 515,112.5 515,98.5 505.5,98.5 505.5,76.5 496.5,76.5 496.5,64.5 451,64.5 451,88 426,88 426,116 451,116
ETH_VDDA on L3 "ETH_VDDA_L03_P007" (solid, remove dead copper, pour order 7): 475,133.5 483.5,133.5 483.5,136.5 490.5,136.5 490.5,113 486,113 486,121 480,121 480,131.5 475,131.5
VBUS on L3 "VBUS_L03_P009" (solid, remove dead copper, pour order 9): 450.5,81.5 450.5,64 502.5,64 502.5,67 506,67 506,56 115,56 115,81.5
5P0 on L3 "5P0_L03_P005" (solid, remove dead copper, pour order 5): 493.5,85.5 493.5,74.5 486.2,74.5 486.2,71 481.5,71 481.5,77.5 475.5,77.5 475.5,85.5
GND on L2 "GND_L02_P000" (solid, remove dead copper, pour order 0): 114.939,59.973 114.939,134.973 cw(c119.939,134.973) 119.939,139.973 509.939,139.973 cw(c509.939,134.973) 514.939,134.973 514.939,59.973 cw(c509.939,59.973) 509.939,54.973 119.939,54.973 cw(c119.939,59.973)

## Silkscreen, mask and mechanical layers (free items; w line width, h text height)
Top Overlay:
  text "GND" at 453.6,135.7 h1 r90
  text "DAC2" at 494.4,135.4 h1 r90
  text "DAC1" at 504.6,135.4 h1 r90
  text "C15+" at 127.4,127.4 h2
  text "C14-" at 138.9,127.4 h2
  text "C13+" at 161.9,127.4 h2
  text "C12-" at 184.9,127.4 h2
  text "C11+" at 207.9,127.4 h2
  text "C10-" at 230.9,127.4 h2
  text "C9+" at 254.9,127.4 h2
  text "C8-" at 278.4,127.4 h2
  text "C7+" at 301.4,127.4 h2
  text "C6-" at 324.4,127.4 h2
  text "C5+" at 347.4,127.4 h2
  text "C4-" at 370.4,127.4 h2
  text "C3+" at 393.4,127.4 h2
  text "C2-" at 416.4,127.4 h2
  text "C1+" at 439.4,127.4 h2
  text "C0-" at 462.4,127.4 h2
  text "RESET" at 495.9,102.5 h1 r90
  text "SCL" at 467.3,89.6 h1
  text "SDA" at 471.4,87.4 h1
  text "DATA" at 509,84.4 h1
  text "5P0" at 490.7,81.4 h1
  text "BOOT0" at 498.5,77.1 h1
  text "3P3" at 473.7,66.4 h1
  text "C15-" at 127.4,65.4 h2
  text "C14+" at 138.9,65.4 h2
  text "C13-" at 161.9,65.4 h2
  text "C12+" at 184.9,65.4 h2
  text "C11-" at 207.9,65.4 h2
  text "C10+" at 230.9,65.4 h2
  text "C9-" at 255.4,65.4 h2
  text "C8+" at 278.4,65.4 h2
  text "C7-" at 301.4,65.4 h2
  text "C6+" at 324.4,65.4 h2
  text "C5-" at 347.4,65.4 h2
  text "C4+" at 370.4,65.4 h2
  text "C3-" at 393.4,65.4 h2
  text "C2+" at 416.4,65.4 h2
  text "C1-" at 439.4,65.4 h2
  text "C0+" at 462.4,65.4 h2
  text "1P2" at 490.4,65.4 h1
  text "POWER" at 508.6,64.4 h1
  text "GND" at 453.6,56.7 h1 r90
  text "GND" at 502.4,56.7 h1 r90
  text "GND" at 388.6,56.6 h1 r90
  text "bms_afe_tester-1_0 / Sasha Zbrozek - zbrozek@zlnp.net / JLC04161H-7628 stackup" at 254.4,56.1 h1.2
  text "VBUS" at 494.7,56.1 h1 r90
Board Shape:
  the board outline again, w0.2

## Text inside footprints (layer, text, board x,y; h text height)
J2: Top 3D Body "Enclosure" at 518.407,122.777 h0.5 r270
J11A: Top 3D Body "PCB edge" at 514.716,88.727 h0.5 r90
J11B: Top 3D Body "PCB edge" at 514.716,68.727 h0.5 r90